# Altium PCB BMS Slave V0.1.PcbDoc (part 4 of 6) (continued)
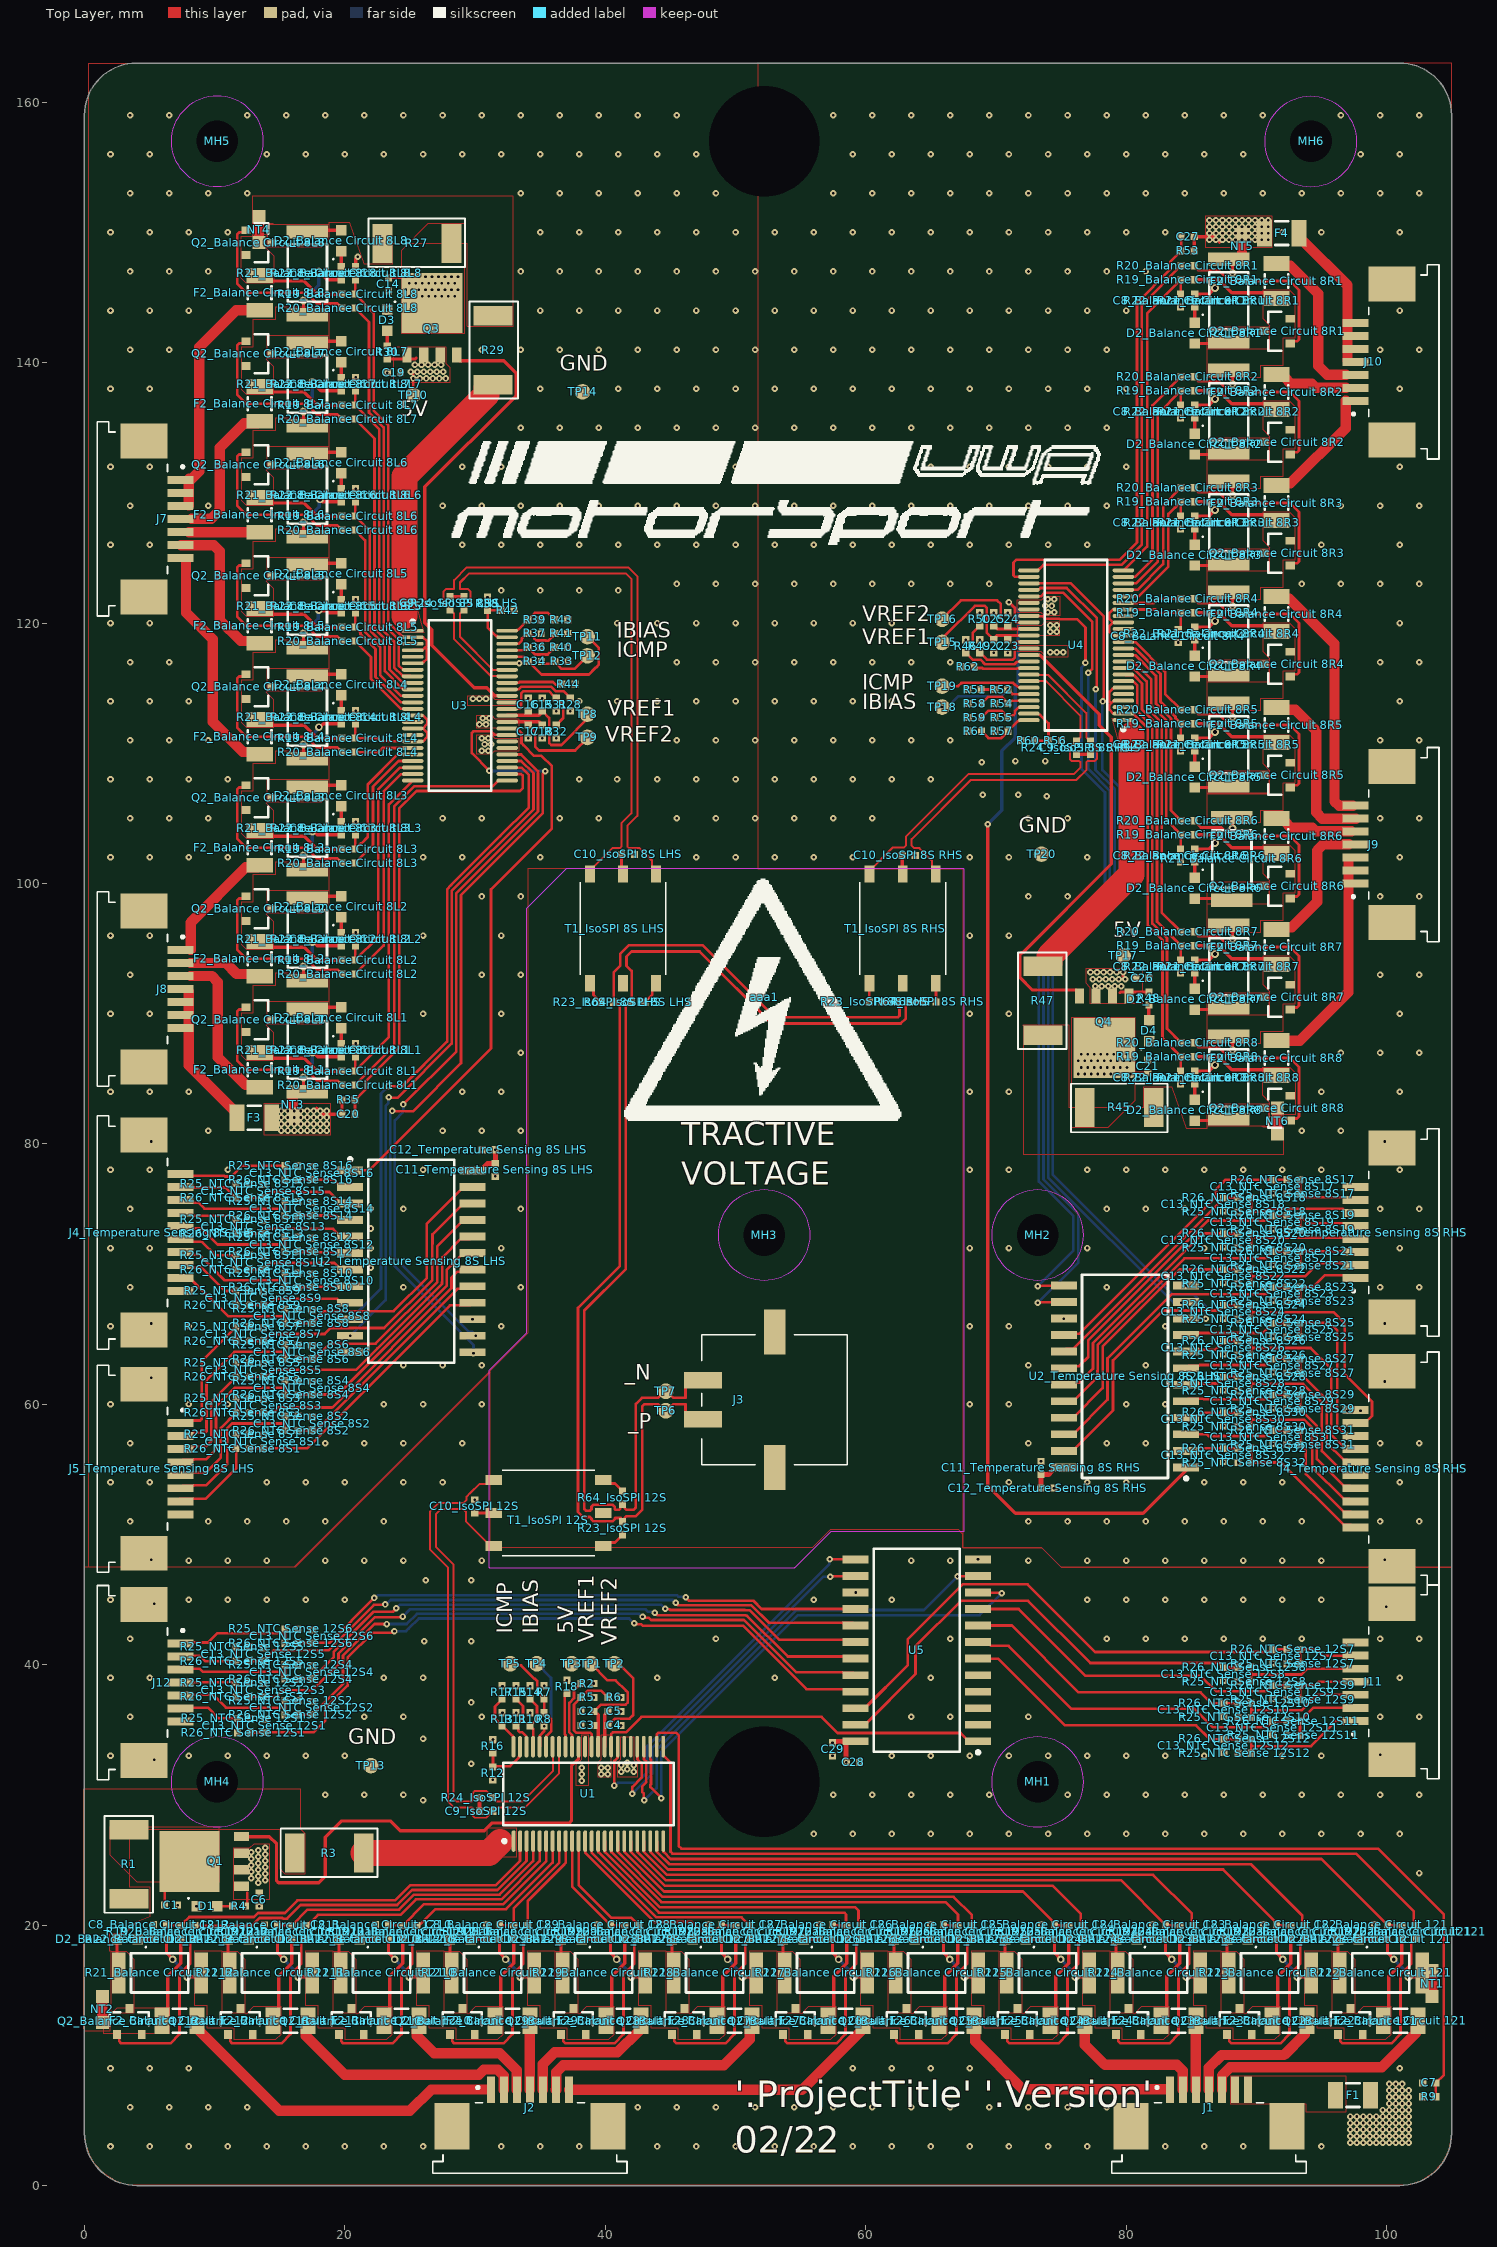
[diagram p0: Top Layer view]
## Nets (pads, with @x,y where several pads share a name; then routed paths per layer and width w, separated by ;. In a path a pad name is that pad's centre, name@x,y a point inside that pad or via, vN(x,y) a via of type N, cw(c..) or ccw(c..) an arc to the next point about the centre after c; other vN are vias at no path point) (continued)
GPIO12.1: U1.27 U5.10 | length 41
  Top Layer w0.203: U1.27@43.453,33.706 43.453,32.753 43.506,32.7 43.506,30.831 43.453,30.778 43.453,30.597 v1(44.3,29.75) ; U5.10@68.625,45.545 68.648,45.522 70.427,45.522 v1(70.45,45.5)
  Bottom Layer w0.203: v1(44.3,29.75) 44.3,33.319 54.781,43.8 68.75,43.8 v1(70.45,45.5)
GPIO12.2: U1.28 U5.11 | length 38.9
  Top Layer w0.203: U1.28@42.953,33.706 42.972,33.687 42.972,32.731 43.15,32.553 43.15,30.978 42.825,30.653 42.825,30.241 42.962,30.103 42.962,29.638 v1(43,29.6) ; v1(67.05,46.775) 67.07,46.795 68.605,46.795 U5.11@68.625,46.815
  Bottom Layer w0.203: v1(43,29.6) 43.013,29.6 43.944,30.531 43.944,33.467 54.678,44.2 64.475,44.2 v1(67.05,46.775)
GPIO12.3: U1.29 U5.14 | length 29.5
  Top Layer w0.203: v1(42.075,30.1) 42.075,30.614 42.794,31.333 42.794,32.406 42.472,32.728 42.472,33.687 U1.29@42.453,33.706 ; v1(57.275,46.75) 57.308,46.783 59.193,46.783 U5.14@59.225,46.815
  Bottom Layer w0.203: v1(42.075,30.1) 43.589,31.614 43.589,33.614 56.725,46.75 v1(57.275,46.75) v1@57.465,46.75
GPIO12.4: U1.32 U5.13 | length 30.2
  Top Layer w0.203: v1(40.7,30.719) 40.7,32.6 40.934,32.834 40.934,33.687 U1.32@40.953,33.706 ; v1(57.225,48.1) 57.232,48.093 59.217,48.093 U5.13@59.225,48.085
  Bottom Layer w0.203: v1(40.7,30.719) 40.762,30.719 40.967,30.925 42.397,30.925 43.233,31.761 43.233,33.761 57.209,47.737 57.209,48.084 v1(57.225,48.1)
IBIAS_2: R8.1 TP4.1 U1.44 | length 7.2
  Top Layer w0.203: U1.44@34.953,33.706 34.981,33.734 34.981,34.567 35.303,34.889 v1(35.303,35.281)
  Bottom Layer w0.203: v1(34.75,40.075) 35.828,38.997 35.828,35.806 v1(35.303,35.281)
IBIAS_4: R34.1 TP11.1 U3.44 | length 10.4
  Top Layer w0.203: U3.44@32.463,117.407 33.738,117.407 R34.1@34.088,117.057 35.036,116.11 35.095,116.05 38.735,116.05 39.227,116.543 ccw(c38.818,117.224) 39.462,116.758 ccw(c39.297,116.876) 39.467,116.765 39.5,116.815 39.5,116.876 39.5,118.075 TP11.1@38.625,118.95
IBIAS_5: R52.1 TP18.1 U4.44 | length 7.4
  Top Layer w0.203: v1(70.912,114.893) 71.262,114.543 U4.44@72.537,114.543
  Bottom Layer w0.203: v1(65.862,113.55) 66.275,113.55 67.1,114.375 70.394,114.375 v1(70.912,114.893)
ICMP_2: R7.1 R8.2 TP5.1 U1.43 | length 8.3
  Top Layer w0.203: TP5.1@32.7,40.075 32.825,39.95 33.529,39.95 34.569,38.91 34.608,38.91 34.774,38.744 34.774,37.91 35.13,37.554 R7.1@35.303,37.381 35.303,36.331 35.85,35.784 35.85,34.9 35.472,34.522 35.472,33.725 U1.43@35.453,33.706
ICMP_4: R33.1 R34.2 TP12.1 U3.43 | length 6.2
  Top Layer w0.203: TP12.1@38.625,117.475 37.625,116.475 36.654,116.475 36.311,116.817 36.311,116.884 R33.1@36.138,117.057 35.952,116.871 35.38,116.871 35.368,116.884 35.261,116.884 R34.2@35.113,117.032 ; R34.2@35.113,117.032 v1(35.113,117.057) R34.2@35.113,117.032
  Bottom Layer w0.203: v1(33.4,116.9) 33.467,116.9 33.624,117.057 v1(35.113,117.057)
ICMP_5: R51.1 R52.2 TP19.1 U4.43 | length 8.1
  Top Layer w0.203: TP19.1@65.862,115.15 67.1,115.15 67.347,115.397 67.456,115.397 67.482,115.422 71.292,115.422 71.441,115.273 ccw(c71.601,115.399) 71.465,115.248 ccw(c71.978,115.822) U4.43@71.978,115.052 ; R51.1@68.862,114.893 R52.2@69.912,114.893 70.416,115.397
ISOMD_2: R18.1 U1.40 | length 4.1
  Top Layer w0.203: R18.1@36.888,37.747 36.888,34.656 36.94,34.604 36.94,33.719 U1.40@36.953,33.706
ISOMD_4: R44.1 U3.40 | length 4.3
  Top Layer w0.203: U3.40@32.463,115.407 32.476,115.42 33.361,115.42 33.413,115.472 35.979,115.472 36.202,115.249 36.605,115.249 R44.1@36.663,115.307
ISOMD_5: R62.1 U4.40 | length 4.3
  Top Layer w0.203: R62.1@68.337,116.643 68.437,116.543 68.956,116.543 69.021,116.478 71.587,116.478 71.639,116.53 72.524,116.53 U4.40@72.537,116.543
"isoSPI._IsoSPI 8S LHS_N": "C9_IsoSPI 8S LHS.1" "T1_IsoSPI 8S LHS.4" U3.41 | length 49.9
  Top Layer w0.152: 28.075,121.025 27.571,121.529 27.571,122.395 27.792,122.615 28.384,122.615 28.384,123.3 29.357,124.273 41.773,124.273 42.457,123.589 42.457,105.186 41.698,104.427 41.698,103.642 41.698,102.818 41.788,102.729 42.62,102.729 43.586,101.762 43.586,101.029 43.89,100.725 ; 28.295,120.826 28.384,120.737 28.384,118.765 31.22,115.928 32.442,115.928 U3.41@32.463,115.907
"isoSPI._IsoSPI 8S LHS_P": "R24_IsoSPI 8S LHS.2" "T1_IsoSPI 8S LHS.6" U3.42 | length 47.5
  Top Layer w0.152: 28.93,120.826 28.841,120.737 28.841,118.954 31.409,116.386 32.442,116.386 U3.42@32.463,116.407 ; 29.15,121.025 29.654,121.529 29.654,122.395 29.433,122.615 28.841,122.615 28.841,123.111 29.547,123.816 41.584,123.816 42,123.4 42,105.375 41.241,104.616 41.241,103.452 41.241,102.818 41.152,102.729 40.559,102.729 38.81,100.98 38.81,100.725
"isoSPI._IsoSPI 8S RHS_N": "C9_IsoSPI 8S RHS.1" "T1_IsoSPI 8S RHS.4" U4.41 | length 30.3
  Top Layer w0.152: 65.38,100.725 65.076,101.029 65.076,101.747 64.113,102.71 63.722,102.71 63.532,102.9 63.532,103.4 68.075,107.943 76.176,107.943 76.941,108.708 76.941,109.311 77.03,109.4 77.598,109.4 77.754,109.555 77.754,110.421 77.25,110.925 77.051,111.124 77.03,111.124 76.941,111.213 76.941,113.08 74,116.022 72.558,116.022 U4.41@72.537,116.043
"isoSPI._IsoSPI 8S RHS_P": "R24_IsoSPI 8S RHS.2" "T1_IsoSPI 8S RHS.6" U4.42 | length 30.2
  Top Layer w0.152: 60.3,100.725 60.3,100.98 62.096,102.776 62.951,102.776 63.075,102.9 63.075,103.589 67.886,108.4 75.987,108.4 76.484,108.897 76.484,109.311 76.395,109.4 75.827,109.4 75.671,109.555 75.671,110.421 76.175,110.925 76.374,111.124 76.395,111.124 76.484,111.213 76.484,112.891 73.811,115.564 72.558,115.564 U4.42@72.537,115.543
"isoSPI._IsoSPI 12S_N": "C9_IsoSPI 12S.1" "T1_IsoSPI 12S.4" U1.41 | length 41.8
  Top Layer w0.152: 31.445,54.19 31.141,53.886 30.341,53.886 29.609,53.154 29.605,53.154 29.353,52.901 29.353,52.66 29.1,52.407 27.185,52.407 26.525,51.747 26.525,48.852 27.902,47.475 27.902,29.514 28.369,29.046 29.757,29.046 29.846,28.957 29.846,28.38 29.98,28.246 30.846,28.246 31.35,28.75 31.549,28.949 31.549,28.957 31.638,29.046 33.842,29.046 36.432,31.636 36.432,33.685 U1.41@36.453,33.706
"isoSPI._IsoSPI 12S_P": "R24_IsoSPI 12S.2" "T1_IsoSPI 12S.6" U1.42 | length 39.9
  Top Layer w0.152: 31.35,29.8 30.846,30.304 29.98,30.304 29.846,30.17 29.846,29.593 29.757,29.504 28.559,29.504 28.359,29.704 28.359,47.664 26.982,49.041 26.982,51.557 27.375,51.95 29.1,51.95 29.287,51.763 29.287,51.013 31.19,49.11 31.445,49.11 ; 31.549,29.601 31.549,29.593 31.638,29.504 33.653,29.504 35.974,31.825 35.974,33.685 U1.42@35.953,33.706
isoSPI_Bus_1_N: "R64_IsoSPI 8S LHS.1" "R64_IsoSPI 8S RHS.1" "R64_IsoSPI 12S.1" J3.1 R63.1 TP7.1 | length 90.7
  Top Layer w0.203: J3.1@47.52,61.85 46.695,61.85 46.162,61.317 46.162,60.503 46.15,60.491 45.253,60.491 44.744,61 TP7.1@44.65,61 44.556,61 44.047,60.491 42.816,60.491 42.35,60.025 42.35,52.091 42.15,51.891 41.617,51.891 41.498,52.01 41.498,52.152 41.325,52.325 41.152,52.152 41.152,52.01 41.033,51.891 40.778,51.891 40.714,51.955 40.714,52.135 40.565,52.284 39.085,52.284 38.936,52.135 38.936,51.942 38.819,51.825 38.502,51.825 38.383,51.944 38.383,67.2 41.579,70.396 41.579,90.583 41.698,90.702 41.852,90.702 42.025,90.875 42.025,93.275 41.625,93.675 41.625,94.389 42.011,94.775 47.251,94.775 52.784,89.242 62.68,89.242 63.081,89.644 63.081,90.641 R63.1@63.34,90.9 64.4,90.9
isoSPI_Bus_1_P: "R23_IsoSPI 8S LHS.1" "R23_IsoSPI 8S RHS.1" "R23_IsoSPI 12S.1" J3.2 R63.2 TP6.1 | length 90.9
  Top Layer w0.203: 41.152,51.148 41.325,50.975 41.498,51.148 41.498,51.29 41.617,51.409 42.35,51.409 42.833,51.891 42.833,59.825 43.016,60.009 44.047,60.009 44.556,59.5 TP6.1@44.65,59.5 44.744,59.5 45.253,60.009 46.15,60.009 46.162,59.997 46.162,59.383 46.695,58.85 J3.2@47.52,58.85 ; 41.174,51.267 40.745,51.267 40.714,51.236 40.714,51.165 40.565,51.016 39.085,51.016 38.936,51.165 38.936,51.226 38.819,51.342 38.302,51.342 37.9,51.744 37.9,67.4 41.096,70.596 41.096,90.583 40.977,90.702 40.823,90.702 40.65,90.875 40.65,93.183 41.142,93.675 41.142,94.589 41.811,95.258 47.451,95.258 52.984,89.725 62.48,89.725 62.599,89.844 62.599,90.641 R63.2@62.34,90.9 61.275,90.9
"isoT_IsoSPI 8S LHS_N": "R64_IsoSPI 8S LHS.2" "T1_IsoSPI 8S LHS.3" | length 1.8
  Top Layer w0.203: 43.025,90.875 43.612,91.462 43.612,92.067 43.89,92.345
"isoT_IsoSPI 8S LHS_P": "R23_IsoSPI 8S LHS.2" "T1_IsoSPI 8S LHS.1" | length 1.8
  Top Layer w0.203: 38.81,92.345 39.088,92.067 39.088,91.437 39.65,90.875
"isoT_IsoSPI 8S RHS_N": "R64_IsoSPI 8S RHS.2" "T1_IsoSPI 8S RHS.3" | length 1.5
  Top Layer w0.203: 65.38,92.345 65.4,92.325 65.4,90.9
"isoT_IsoSPI 8S RHS_P": "R23_IsoSPI 8S RHS.2" "T1_IsoSPI 8S RHS.1" | length 1.5
  Top Layer w0.203: 60.275,90.9 60.275,92.32 60.3,92.345
"isoT_IsoSPI 12S_N": "R64_IsoSPI 12S.2" "T1_IsoSPI 12S.3" | length 1.9
  Top Layer w0.203: 39.825,54.19 40.103,53.912 40.738,53.912 41.325,53.325
"isoT_IsoSPI 12S_P": "R23_IsoSPI 12S.2" "T1_IsoSPI 12S.1" | length 1.9
  Top Layer w0.203: 39.825,49.11 40.103,49.388 40.738,49.388 41.325,49.975
NetC1_2: C1.2 Q1.5 R1.1 | length 4.1
  Top Layer w0.203: C1.2@6.153,21.538 6.153,22.963 Q1.5@8.078,24.888
"NetC9_IsoSPI 8S LHS_2": "C9_IsoSPI 8S LHS.2" "R24_IsoSPI 8S LHS.1" | length 1.1
  Top Layer w0.254: 28.075,122.025 29.15,122.025
"NetC9_IsoSPI 8S RHS_2": "C9_IsoSPI 8S RHS.2" "R24_IsoSPI 8S RHS.1" | length 1.1
  Top Layer w0.254: 76.175,109.925 77.25,109.925
"NetC9_IsoSPI 12S_2": "C9_IsoSPI 12S.2" "R24_IsoSPI 12S.1" | length 1.1
  Top Layer w0.305: 30.35,28.75 30.35,29.8
"NetC10_IsoSPI 8S LHS_2": "C10_IsoSPI 8S LHS.2" "T1_IsoSPI 8S LHS.5" | length 1.5
  Top Layer w0.254: 41.25,100.725 41.25,102.225
"NetC10_IsoSPI 8S RHS_2": "C10_IsoSPI 8S RHS.2" "T1_IsoSPI 8S RHS.5" | length 1.5
  Top Layer w0.254: 62.8,100.7 62.8,102.2
"NetC10_IsoSPI 12S_2": "C10_IsoSPI 12S.2" "T1_IsoSPI 12S.5" | length 1.5
  Top Layer w0.254: 29.975,51.65 31.445,51.65
NetC14_2: C14.2 Q3.5 R27.1 | length 4.2
  Top Layer w0.254: C14.2@23.354,146.532 24.738,146.532 v1(25.688,145.582) Q3.5@26.688,144.582 ; v1(28.688,146.582) Q3.5@28.738,146.632
  other v1: 24.938,145.082 25.438,145.082 25.938,145.082 26.438,145.082 26.938,145.082 27.438,145.082 27.938,145.082 28.438,145.082 24.688,145.582 25.188,145.582 26.188,145.582 26.688,145.582 27.188,145.582 27.688,145.582 28.188,145.582 28.688,145.582 24.938,146.082 25.438,146.082 25.938,146.082 26.438,146.082 26.938,146.082 27.438,146.082 27.938,146.082 28.438,146.082 24.688,146.582 25.188,146.582 25.688,146.582 26.188,146.582 26.688,146.582 27.188,146.582 27.688,146.582 28.188,146.582
NetC21_2: C21.2 Q4.5 R45.1 | length 4.2
  Top Layer w0.254: Q4.5@76.262,85.318 v1(76.312,85.368) ; Q4.5@78.312,87.368 v1(79.312,86.368) 80.262,85.418 C21.2@81.646,85.418
  other v1: 76.812,85.368 77.312,85.368 77.812,85.368 78.312,85.368 78.812,85.368 79.312,85.368 79.812,85.368 80.312,85.368 76.562,85.868 77.062,85.868 77.562,85.868 78.062,85.868 78.562,85.868 79.062,85.868 79.562,85.868 80.062,85.868 76.312,86.368 76.812,86.368 77.312,86.368 77.812,86.368 78.312,86.368 78.812,86.368 79.812,86.368 80.312,86.368 76.562,86.868 77.062,86.868 77.562,86.868 78.062,86.868 78.562,86.868 79.062,86.868 79.562,86.868 80.062,86.868
NetD1_2: D1.2 R4.1 | length 1.2
  Top Layer w0.203: D1.2@10.203,21.438 10.222,21.457 R4.1@11.378,21.457
"NetD2_Balance Circuit 8L1_1": "D2_Balance Circuit 8L1.1" "R22_Balance Circuit 8L1.2" | length 1.2
  Top Layer w0.254: 19.725,87.685 19.725,88.885
"NetD2_Balance Circuit 8L1_2": "D2_Balance Circuit 8L1.2" "Q2_Balance Circuit 8L1.3" "R21_Balance Circuit 8L1.2" | length 2.7
  Top Layer w0.254: 17.125,90.36 17.25,90.485 19.725,90.485
"NetD2_Balance Circuit 8L2_1": "D2_Balance Circuit 8L2.1" "R22_Balance Circuit 8L2.2" | length 1.2
  Top Layer w0.254: 19.725,96.21 19.725,97.41
"NetD2_Balance Circuit 8L2_2": "D2_Balance Circuit 8L2.2" "Q2_Balance Circuit 8L2.3" "R21_Balance Circuit 8L2.2" | length 2.7
  Top Layer w0.254: 17.125,98.885 17.25,99.01 19.725,99.01
"NetD2_Balance Circuit 8L3_1": "D2_Balance Circuit 8L3.1" "R22_Balance Circuit 8L3.2" | length 1.2
  Top Layer w0.254: 19.725,104.735 19.725,105.935
"NetD2_Balance Circuit 8L3_2": "D2_Balance Circuit 8L3.2" "Q2_Balance Circuit 8L3.3" "R21_Balance Circuit 8L3.2" | length 2.7
  Top Layer w0.254: 17.125,107.41 17.25,107.535 19.725,107.535
"NetD2_Balance Circuit 8L4_1": "D2_Balance Circuit 8L4.1" "R22_Balance Circuit 8L4.2" | length 1.2
  Top Layer w0.254: 19.725,113.26 19.725,114.46
"NetD2_Balance Circuit 8L4_2": "D2_Balance Circuit 8L4.2" "Q2_Balance Circuit 8L4.3" "R21_Balance Circuit 8L4.2" | length 2.7
  Top Layer w0.254: 17.125,115.935 17.25,116.06 19.725,116.06
"NetD2_Balance Circuit 8L5_1": "D2_Balance Circuit 8L5.1" "R22_Balance Circuit 8L5.2" | length 1.2
  Top Layer w0.254: 19.725,121.785 19.725,122.985
"NetD2_Balance Circuit 8L5_2": "D2_Balance Circuit 8L5.2" "Q2_Balance Circuit 8L5.3" "R21_Balance Circuit 8L5.2" | length 2.7
  Top Layer w0.254: 17.125,124.46 17.25,124.585 19.725,124.585
"NetD2_Balance Circuit 8L6_1": "D2_Balance Circuit 8L6.1" "R22_Balance Circuit 8L6.2" | length 1.2
  Top Layer w0.254: 19.725,130.31 19.725,131.51
"NetD2_Balance Circuit 8L6_2": "D2_Balance Circuit 8L6.2" "Q2_Balance Circuit 8L6.3" "R21_Balance Circuit 8L6.2" | length 2.7
  Top Layer w0.254: 17.125,132.985 17.25,133.11 19.725,133.11
"NetD2_Balance Circuit 8L7_1": "D2_Balance Circuit 8L7.1" "R22_Balance Circuit 8L7.2" | length 1.2
  Top Layer w0.254: 19.725,138.835 19.725,140.035
"NetD2_Balance Circuit 8L7_2": "D2_Balance Circuit 8L7.2" "Q2_Balance Circuit 8L7.3" "R21_Balance Circuit 8L7.2" | length 2.7
  Top Layer w0.254: 17.125,141.51 17.25,141.635 19.725,141.635
"NetD2_Balance Circuit 8L8_1": "D2_Balance Circuit 8L8.1" "R22_Balance Circuit 8L8.2" | length 1.2
  Top Layer w0.254: 19.725,147.36 19.725,148.56
"NetD2_Balance Circuit 8L8_2": "D2_Balance Circuit 8L8.2" "Q2_Balance Circuit 8L8.3" "R21_Balance Circuit 8L8.2" | length 2.7
  Top Layer w0.254: 17.125,150.035 17.25,150.16 19.725,150.16
"NetD2_Balance Circuit 8R1_1": "D2_Balance Circuit 8R1.1" "R22_Balance Circuit 8R1.2" | length 1.2
  Top Layer w0.254: 85.275,143.065 85.275,144.265
"NetD2_Balance Circuit 8R1_2": "D2_Balance Circuit 8R1.2" "Q2_Balance Circuit 8R1.3" "R21_Balance Circuit 8R1.2" | length 2.7
  Top Layer w0.254: 85.275,141.465 87.75,141.465 87.875,141.59
"NetD2_Balance Circuit 8R2_1": "D2_Balance Circuit 8R2.1" "R22_Balance Circuit 8R2.2" | length 1.2
  Top Layer w0.254: 85.275,134.54 85.275,135.74
"NetD2_Balance Circuit 8R2_2": "D2_Balance Circuit 8R2.2" "Q2_Balance Circuit 8R2.3" "R21_Balance Circuit 8R2.2" | length 2.7
  Top Layer w0.254: 85.275,132.94 87.75,132.94 87.875,133.065
"NetD2_Balance Circuit 8R3_1": "D2_Balance Circuit 8R3.1" "R22_Balance Circuit 8R3.2" | length 1.2
  Top Layer w0.254: 85.275,126.015 85.275,127.215
"NetD2_Balance Circuit 8R3_2": "D2_Balance Circuit 8R3.2" "Q2_Balance Circuit 8R3.3" "R21_Balance Circuit 8R3.2" | length 2.7
  Top Layer w0.254: 85.275,124.415 87.75,124.415 87.875,124.54
"NetD2_Balance Circuit 8R4_1": "D2_Balance Circuit 8R4.1" "R22_Balance Circuit 8R4.2" | length 1.2
  Top Layer w0.254: 85.275,117.49 85.275,118.69
"NetD2_Balance Circuit 8R4_2": "D2_Balance Circuit 8R4.2" "Q2_Balance Circuit 8R4.3" "R21_Balance Circuit 8R4.2" | length 2.7
  Top Layer w0.254: 85.275,115.89 87.75,115.89 87.875,116.015
"NetD2_Balance Circuit 8R5_1": "D2_Balance Circuit 8R5.1" "R22_Balance Circuit 8R5.2" | length 1.2
  Top Layer w0.254: 85.275,108.965 85.275,110.165
"NetD2_Balance Circuit 8R5_2": "D2_Balance Circuit 8R5.2" "Q2_Balance Circuit 8R5.3" "R21_Balance Circuit 8R5.2" | length 2.7
  Top Layer w0.254: 85.275,107.365 87.75,107.365 87.875,107.49
"NetD2_Balance Circuit 8R6_1": "D2_Balance Circuit 8R6.1" "R22_Balance Circuit 8R6.2" | length 1.2
  Top Layer w0.254: 85.275,100.44 85.275,101.64
"NetD2_Balance Circuit 8R6_2": "D2_Balance Circuit 8R6.2" "Q2_Balance Circuit 8R6.3" "R21_Balance Circuit 8R6.2" | length 2.7
  Top Layer w0.254: 85.275,98.84 87.75,98.84 87.875,98.965
"NetD2_Balance Circuit 8R7_1": "D2_Balance Circuit 8R7.1" "R22_Balance Circuit 8R7.2" | length 1.2
  Top Layer w0.254: 85.275,91.915 85.275,93.115
"NetD2_Balance Circuit 8R7_2": "D2_Balance Circuit 8R7.2" "Q2_Balance Circuit 8R7.3" "R21_Balance Circuit 8R7.2" | length 2.7
  Top Layer w0.254: 85.275,90.315 87.75,90.315 87.875,90.44
"NetD2_Balance Circuit 8R8_1": "D2_Balance Circuit 8R8.1" "R22_Balance Circuit 8R8.2" | length 1.2
  Top Layer w0.254: 85.275,83.39 85.275,84.59
"NetD2_Balance Circuit 8R8_2": "D2_Balance Circuit 8R8.2" "Q2_Balance Circuit 8R8.3" "R21_Balance Circuit 8R8.2" | length 2.7
  Top Layer w0.254: 85.275,81.79 87.75,81.79 87.875,81.915
"NetD2_Balance Circuit 121_1": "D2_Balance Circuit 121.1" "R22_Balance Circuit 121.2" | length 1.2
  Top Layer w0.254: 97.875,18.925 99.075,18.925
"NetD2_Balance Circuit 121_2": "D2_Balance Circuit 121.2" "Q2_Balance Circuit 121.3" "R21_Balance Circuit 121.2" | length 2.7
  Top Layer w0.254: 96.275,18.925 96.275,16.45 96.4,16.325
"NetD2_Balance Circuit 122_1": "D2_Balance Circuit 122.1" "R22_Balance Circuit 122.2" | length 1.2
  Top Layer w0.254: 89.35,18.925 90.55,18.925
"NetD2_Balance Circuit 122_2": "D2_Balance Circuit 122.2" "Q2_Balance Circuit 122.3" "R21_Balance Circuit 122.2" | length 2.7
  Top Layer w0.254: 87.75,18.925 87.75,16.45 87.875,16.325
"NetD2_Balance Circuit 123_1": "D2_Balance Circuit 123.1" "R22_Balance Circuit 123.2" | length 1.2
  Top Layer w0.254: 80.825,18.925 82.025,18.925
"NetD2_Balance Circuit 123_2": "D2_Balance Circuit 123.2" "Q2_Balance Circuit 123.3" "R21_Balance Circuit 123.2" | length 2.7
  Top Layer w0.254: 79.225,18.925 79.225,16.45 79.35,16.325
"NetD2_Balance Circuit 124_1": "D2_Balance Circuit 124.1" "R22_Balance Circuit 124.2" | length 1.2
  Top Layer w0.254: 72.3,18.925 73.5,18.925
"NetD2_Balance Circuit 124_2": "D2_Balance Circuit 124.2" "Q2_Balance Circuit 124.3" "R21_Balance Circuit 124.2" | length 2.7
  Top Layer w0.254: 70.7,18.925 70.7,16.45 70.825,16.325
"NetD2_Balance Circuit 125_1": "D2_Balance Circuit 125.1" "R22_Balance Circuit 125.2" | length 1.2
  Top Layer w0.254: 63.775,18.925 64.975,18.925
"NetD2_Balance Circuit 125_2": "D2_Balance Circuit 125.2" "Q2_Balance Circuit 125.3" "R21_Balance Circuit 125.2" | length 2.7
  Top Layer w0.254: 62.175,18.925 62.175,16.45 62.3,16.325
"NetD2_Balance Circuit 126_1": "D2_Balance Circuit 126.1" "R22_Balance Circuit 126.2" | length 1.2
  Top Layer w0.254: 55.25,18.925 56.45,18.925
"NetD2_Balance Circuit 126_2": "D2_Balance Circuit 126.2" "Q2_Balance Circuit 126.3" "R21_Balance Circuit 126.2" | length 2.7
  Top Layer w0.254: 53.65,18.925 53.65,16.45 53.775,16.325
"NetD2_Balance Circuit 127_1": "D2_Balance Circuit 127.1" "R22_Balance Circuit 127.2" | length 1.2
  Top Layer w0.254: 46.725,18.925 47.925,18.925
"NetD2_Balance Circuit 127_2": "D2_Balance Circuit 127.2" "Q2_Balance Circuit 127.3" "R21_Balance Circuit 127.2" | length 2.7
  Top Layer w0.254: 45.125,18.925 45.125,16.45 45.25,16.325
"NetD2_Balance Circuit 128_1": "D2_Balance Circuit 128.1" "R22_Balance Circuit 128.2" | length 1.2
  Top Layer w0.254: 38.2,18.925 39.4,18.925
"NetD2_Balance Circuit 128_2": "D2_Balance Circuit 128.2" "Q2_Balance Circuit 128.3" "R21_Balance Circuit 128.2" | length 2.7
  Top Layer w0.254: 36.6,18.925 36.6,16.45 36.725,16.325
"NetD2_Balance Circuit 129_1": "D2_Balance Circuit 129.1" "R22_Balance Circuit 129.2" | length 1.2
  Top Layer w0.254: 29.675,18.925 30.875,18.925
"NetD2_Balance Circuit 129_2": "D2_Balance Circuit 129.2" "Q2_Balance Circuit 129.3" "R21_Balance Circuit 129.2" | length 2.7
  Top Layer w0.254: 28.075,18.925 28.075,16.45 28.2,16.325
"NetD2_Balance Circuit 1210_1": "D2_Balance Circuit 1210.1" "R22_Balance Circuit 1210.2" | length 1.2
  Top Layer w0.254: 21.15,18.925 22.35,18.925
"NetD2_Balance Circuit 1210_2": "D2_Balance Circuit 1210.2" "Q2_Balance Circuit 1210.3" "R21_Balance Circuit 1210.2" | length 2.7
  Top Layer w0.254: 19.55,18.925 19.55,16.45 19.675,16.325
"NetD2_Balance Circuit 1211_1": "D2_Balance Circuit 1211.1" "R22_Balance Circuit 1211.2" | length 1.2
  Top Layer w0.254: 12.625,18.925 13.825,18.925
"NetD2_Balance Circuit 1211_2": "D2_Balance Circuit 1211.2" "Q2_Balance Circuit 1211.3" "R21_Balance Circuit 1211.2" | length 2.7
  Top Layer w0.254: 11.025,18.925 11.025,16.45 11.15,16.325
"NetD2_Balance Circuit 1212_1": "D2_Balance Circuit 1212.1" "R22_Balance Circuit 1212.2" | length 1.2
  Top Layer w0.254: 4.1,18.925 5.3,18.925
"NetD2_Balance Circuit 1212_2": "D2_Balance Circuit 1212.2" "Q2_Balance Circuit 1212.3" "R21_Balance Circuit 1212.2" | length 2.7
  Top Layer w0.254: 2.5,18.925 2.5,16.45 2.625,16.325
NetD3_2: D3.2 R30.1 | length 1.2
  Top Layer w0.203: D3.2@23.238,142.457 D3.2@23.257,142.438
  Top Layer w0.254: R30.1@23.257,141.282 D3.2@23.257,142.438
NetD4_2: D4.2 R48.1 | length 1.2
  Top Layer w0.203: D4.2@81.743,89.512 D4.2@81.762,89.493
  Top Layer w0.254: D4.2@81.743,89.512 R48.1@81.743,90.668
"NetQ2_Balance Circuit 8L1_1": "Q2_Balance Circuit 8L1.1" "R20_Balance Circuit 8L1.1" | length 13.4
  Top Layer w0.203: 12.4,90.485 12.238,90.323 11.888,90.323 11.725,90.16 11.725,86.385 12.425,85.685 17.025,85.685 17.85,84.86 19.425,84.86 19.775,84.51
"NetQ2_Balance Circuit 8L2_1": "Q2_Balance Circuit 8L2.1" "R20_Balance Circuit 8L2.1" | length 13.4
  Top Layer w0.203: 12.4,99.01 12.238,98.848 11.888,98.848 11.725,98.685 11.725,94.91 12.425,94.21 17.025,94.21 17.85,93.385 19.425,93.385 19.775,93.035
"NetQ2_Balance Circuit 8L3_1": "Q2_Balance Circuit 8L3.1" "R20_Balance Circuit 8L3.1" | length 13.4
  Top Layer w0.203: 12.4,107.535 12.238,107.373 11.888,107.373 11.725,107.21 11.725,103.435 12.425,102.735 17.025,102.735 17.85,101.91 19.425,101.91 19.775,101.56
"NetQ2_Balance Circuit 8L4_1": "Q2_Balance Circuit 8L4.1" "R20_Balance Circuit 8L4.1" | length 13.4
  Top Layer w0.203: 12.4,116.06 12.238,115.898 11.888,115.898 11.725,115.735 11.725,111.96 12.425,111.26 17.025,111.26 17.85,110.435 19.425,110.435 19.775,110.085
"NetQ2_Balance Circuit 8L5_1": "Q2_Balance Circuit 8L5.1" "R20_Balance Circuit 8L5.1" | length 13.4
  Top Layer w0.203: 12.4,124.585 12.238,124.423 11.888,124.423 11.725,124.26 11.725,120.485 12.425,119.785 17.025,119.785 17.85,118.96 19.425,118.96 19.775,118.61
"NetQ2_Balance Circuit 8L6_1": "Q2_Balance Circuit 8L6.1" "R20_Balance Circuit 8L6.1" | length 13.4
  Top Layer w0.203: 12.4,133.11 12.238,132.948 11.888,132.948 11.725,132.785 11.725,129.01 12.425,128.31 17.025,128.31 17.85,127.485 19.425,127.485 19.775,127.135
"NetQ2_Balance Circuit 8L7_1": "Q2_Balance Circuit 8L7.1" "R20_Balance Circuit 8L7.1" | length 13.4
  Top Layer w0.203: 12.4,141.635 12.238,141.473 11.888,141.473 11.725,141.31 11.725,137.535 12.425,136.835 17.025,136.835 17.85,136.01 19.425,136.01 19.775,135.66
"NetQ2_Balance Circuit 8L8_1": "Q2_Balance Circuit 8L8.1" "R20_Balance Circuit 8L8.1" | length 13.4
  Top Layer w0.203: 12.4,150.16 12.238,149.998 11.888,149.998 11.725,149.835 11.725,146.06 12.425,145.36 17.025,145.36 17.85,144.535 19.425,144.535 19.775,144.185
"NetQ2_Balance Circuit 8R1_1": "Q2_Balance Circuit 8R1.1" "R20_Balance Circuit 8R1.1" | length 13.4
  Top Layer w0.203: 85.225,147.44 85.575,147.09 87.15,147.09 87.975,146.265 92.575,146.265 93.275,145.565 93.275,141.79 93.112,141.627 92.762,141.627 92.6,141.465
"NetQ2_Balance Circuit 8R2_1": "Q2_Balance Circuit 8R2.1" "R20_Balance Circuit 8R2.1" | length 13.4
  Top Layer w0.203: 85.225,138.915 85.575,138.565 87.15,138.565 87.975,137.74 92.575,137.74 93.275,137.04 93.275,133.265 93.112,133.102 92.762,133.102 92.6,132.94
"NetQ2_Balance Circuit 8R3_1": "Q2_Balance Circuit 8R3.1" "R20_Balance Circuit 8R3.1" | length 13.4
  Top Layer w0.203: 85.225,130.39 85.575,130.04 87.15,130.04 87.975,129.215 92.575,129.215 93.275,128.515 93.275,124.74 93.112,124.577 92.762,124.577 92.6,124.415
"NetQ2_Balance Circuit 8R4_1": "Q2_Balance Circuit 8R4.1" "R20_Balance Circuit 8R4.1" | length 13.4
  Top Layer w0.203: 85.225,121.865 85.575,121.515 87.15,121.515 87.975,120.69 92.575,120.69 93.275,119.99 93.275,116.215 93.112,116.052 92.762,116.052 92.6,115.89
"NetQ2_Balance Circuit 8R5_1": "Q2_Balance Circuit 8R5.1" "R20_Balance Circuit 8R5.1" | length 13.4
  Top Layer w0.203: 85.225,113.34 85.575,112.99 87.15,112.99 87.975,112.165 92.575,112.165 93.275,111.465 93.275,107.69 93.112,107.527 92.762,107.527 92.6,107.365
"NetQ2_Balance Circuit 8R6_1": "Q2_Balance Circuit 8R6.1" "R20_Balance Circuit 8R6.1" | length 13.4
  Top Layer w0.203: 85.225,104.815 85.398,104.642 85.739,104.301 87.314,104.301 87.975,103.64 92.575,103.64 93.275,102.94 93.275,99.165 93.112,99.002 92.762,99.002 92.6,98.84
"NetQ2_Balance Circuit 8R7_1": "Q2_Balance Circuit 8R7.1" "R20_Balance Circuit 8R7.1" | length 13.4
  Top Layer w0.203: 85.225,96.29 85.575,95.94 87.15,95.94 87.975,95.115 92.575,95.115 93.275,94.415 93.275,90.64 93.112,90.477 92.762,90.477 92.6,90.315
"NetQ2_Balance Circuit 8R8_1": "Q2_Balance Circuit 8R8.1" "R20_Balance Circuit 8R8.1" | length 13.4
  Top Layer w0.203: 85.225,87.765 85.575,87.415 87.15,87.415 87.975,86.59 92.575,86.59 93.275,85.89 93.275,82.115 93.112,81.952 92.762,81.952 92.6,81.79
"NetQ2_Balance Circuit 121_1": "Q2_Balance Circuit 121.1" "R20_Balance Circuit 121.1" | length 13.4
  Top Layer w0.203: 96.275,11.6 96.437,11.438 96.437,11.088 96.6,10.925 100.375,10.925 101.075,11.625 101.075,16.225 101.9,17.05 101.9,18.625 102.25,18.975
"NetQ2_Balance Circuit 122_1": "Q2_Balance Circuit 122.1" "R20_Balance Circuit 122.1" | length 13.4
  Top Layer w0.203: 87.75,11.6 87.912,11.438 87.912,11.088 88.075,10.925 91.85,10.925 92.55,11.625 92.55,16.225 93.375,17.05 93.375,18.625 93.725,18.975